# Altium PCB Industrial-Controller.PcbDoc (part 1 of 2) (continued)
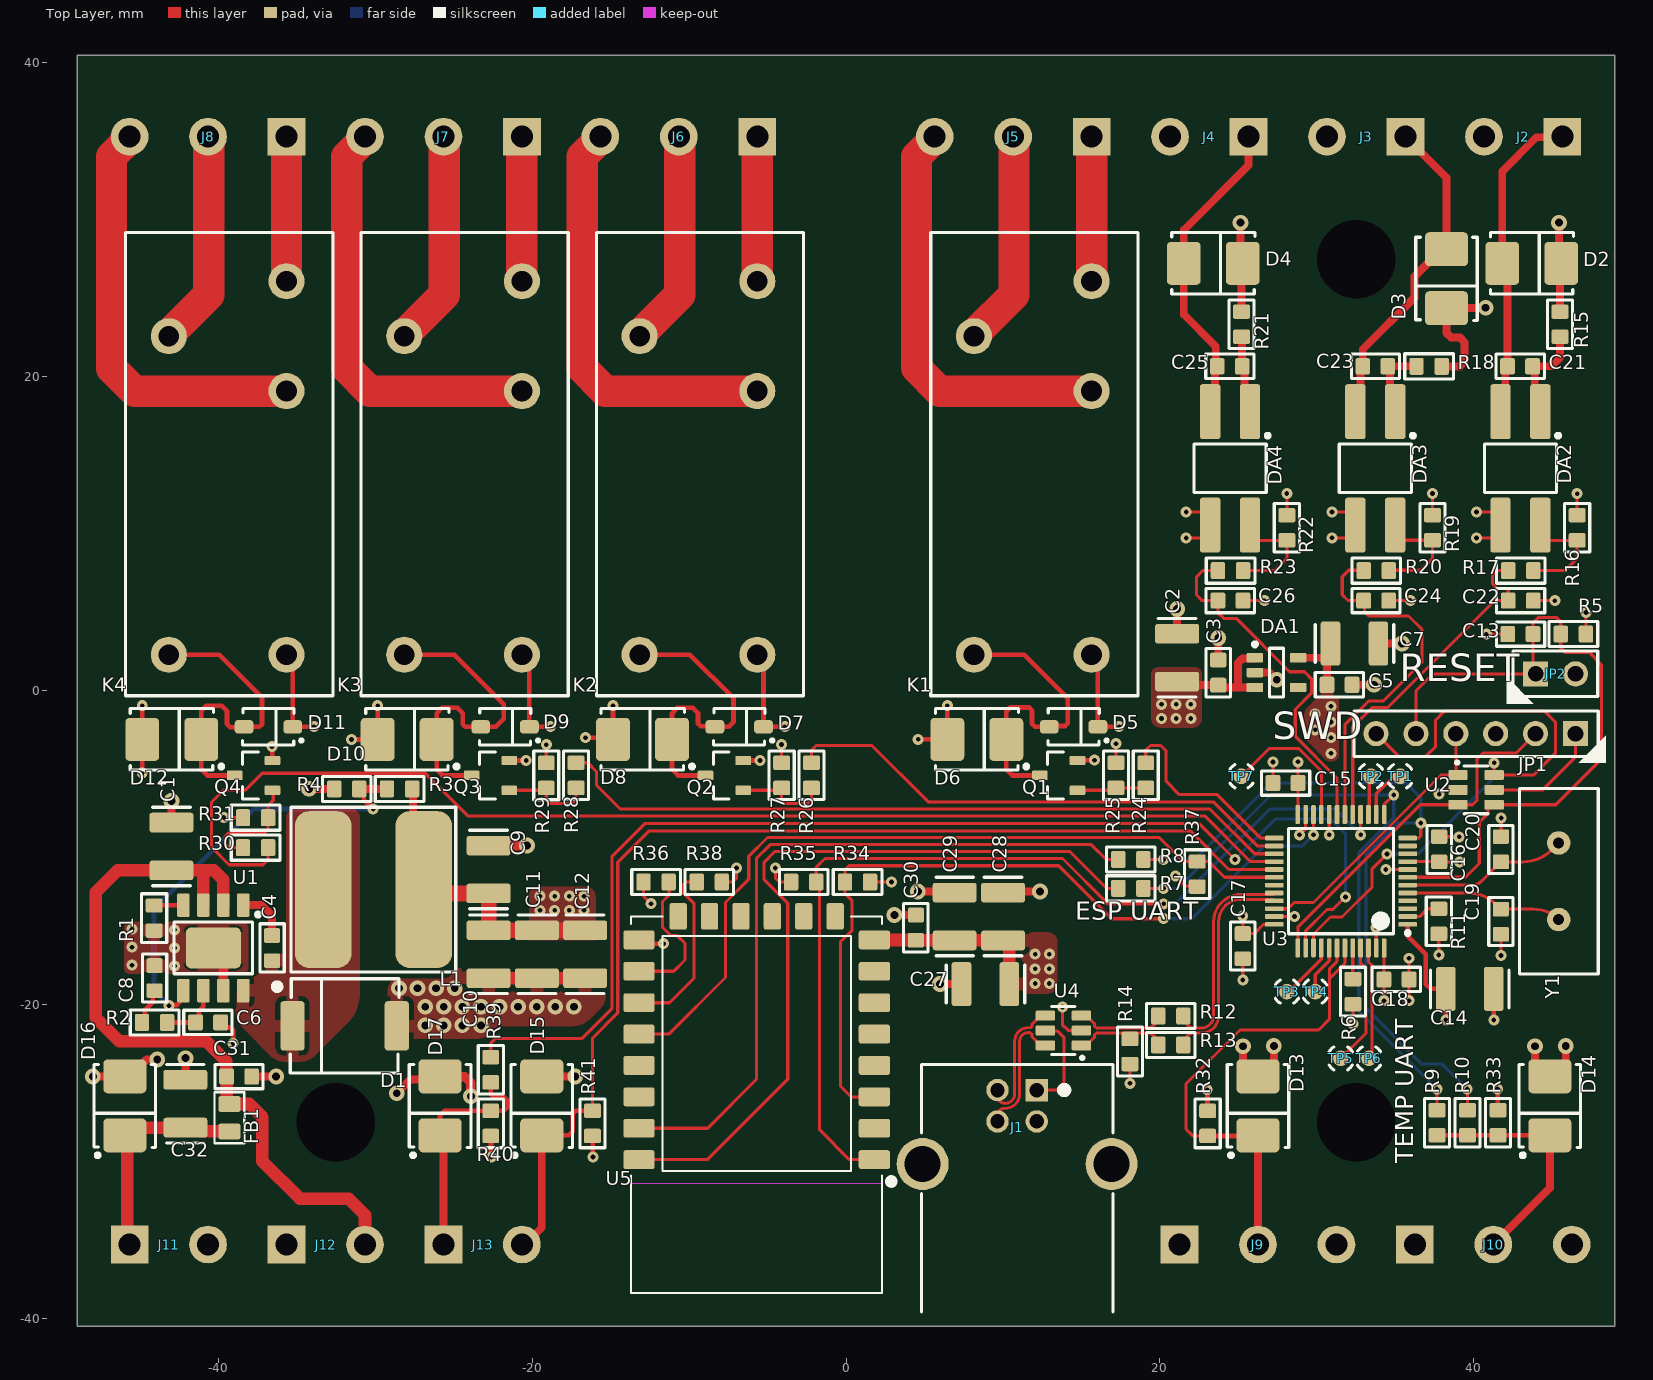
[diagram p0: Top Layer view]
## Design rules (kind name [scope] priority, off if disabled: settings) (continued)
PolygonConnect PolygonConnect_POWER_IN_MOSFET [InComponent('Q1')] p6: connectstyle=Relief reliefconductorwidth=0.381 reliefentries=4 polygonreliefangle="90 Angle" airgapwidth=0.127 // Q1 reverse polarity protection MOSFET
PolygonConnect PolygonConnect_MOSFET_ZENER [InComponent('D2')] p7: connectstyle=Relief reliefconductorwidth=0.508 reliefentries=4 polygonreliefangle="90 Angle" airgapwidth=0.127 // Q1 MOSFET gate voltage stabilizer
PolygonConnect PolygonConnect_DCDC_IC [HasFootprint('SOIC-8EP_150MIL') vs InNet('GND')] p8: connectstyle=Relief reliefconductorwidth=2.032 reliefentries=4 polygonreliefangle="90 Angle" airgapwidth=0.127 // DC/DC IC connection
PolygonConnect PolygonConnect_DCDC_CAPS [(WithinRoom('DC/DC Step-Down Converter 12V') Or WithinRoom('DC/DC Step-Down Converter 3.3V')) And HasFootprint('CAP_1210')] p9: connectstyle=Relief reliefconductorwidth=1.27 reliefentries=4 polygonreliefangle="90 Angle" airgapwidth=0.127 // DC/DC input and output capacitors
PolygonConnect PolygonConnect_ETH_BULKCAP [WithinRoom('10/100 Mbps Ethernet PHY') And HasFootprint('CAP_1210')] p10: connectstyle=Relief reliefconductorwidth=1.27 reliefentries=4 polygonreliefangle="90 Angle" airgapwidth=0.127 // 1210 bulck capacitor in ETH power supply
PolygonConnect PolygonConnect_DCDC_IND [(InNet('12V') Or InNet('3V3')) And HasFootprint('SRU1048')] p11: connectstyle=Relief reliefconductorwidth=1.778 reliefentries=4 polygonreliefangle="90 Angle" airgapwidth=0.127 // DC/DC inductors terminal in specific nets
PolygonConnect PolygonConnect_DCDC_5V_IC [HasFootprint('SOT-23-6') vs (InNet('GND') Or InNet('12V')) And WithinRoom('USB 2.0 Full-Speed')] p12: connectstyle=Relief reliefconductorwidth=0.584 reliefentries=4 polygonreliefangle="90 Angle" airgapwidth=0.127 // DC/DC 5V IC connection
PolygonConnect PolygonConnect_DCDC_5V_CAPS [HasFootprint('CAP_1210') vs InNet('5V')] p13: connectstyle=Direct reliefconductorwidth=1.27 reliefentries=4 polygonreliefangle="90 Angle" airgapwidth=0.3 // Caps connection to GND and VCC polygons
PolygonConnect PolygonConnect_DCDC_5V_OUT_CAP [InNet('5V') And HasFootprint('CAP_0603')] p14: connectstyle=Relief reliefconductorwidth=0.813 reliefentries=4 polygonreliefangle="90 Angle" airgapwidth=0.127 // Output cap connection to VCC polygon
PolygonConnect PolygonConnect_DCDC_5V_IND [HasFootprint('SDR1006')] p15: connectstyle=Direct reliefconductorwidth=0.8 reliefentries=4 polygonreliefangle="90 Angle" airgapwidth=0.3 // DC/DC 5V inductor terminal in specific nets
PolygonConnect PolygonConnect_DCDC_HOTSWITCH [InNet('NetC4_2')] p16: connectstyle=Relief reliefconductorwidth=0.8 reliefentries=4 polygonreliefangle="90 Angle" airgapwidth=0.3 // DC/DC 5V inductor terminal in specific nets
PolygonConnect PolygonConnect_DCDC_BL_IC [WithinRoom('LCD & Capacitive Touchscreen Module') And HasFootprint('SOT-23-6')] p17: connectstyle=Relief reliefconductorwidth=0.584 reliefentries=4 polygonreliefangle="90 Angle" airgapwidth=0.127 // DC/DC Backlight IC
PolygonConnect PolygonConnect_DCDC_BL_CAPS [WithinRoom('LCD & Capacitive Touchscreen Module') And HasFootprint('CAP_0805')] p18: connectstyle=Relief reliefconductorwidth=1.016 reliefentries=4 polygonreliefangle="90 Angle" airgapwidth=0.127 // DC/DC Backlight capacitors
PolygonConnect PolygonConnect_DCDC_BL_IND [WithinRoom('LCD & Capacitive Touchscreen Module') And HasFootprint('LQH3NPN470MMEL')] p19: connectstyle=Relief reliefconductorwidth=0.965 reliefentries=4 polygonreliefangle="90 Angle" airgapwidth=0.127 // DC/DC Backlight inductor
PolygonConnect PolygonConnect_WIFI_GND [InNet('GND') And HasFootprint('ATWINC3400-MR210CA142')] p20: connectstyle=Relief reliefconductorwidth=0.762 reliefentries=4 polygonreliefangle="90 Angle" airgapwidth=0.127 // WiFi module to GND poly
PolygonConnect PolygonConnect_USB_CONN_GND [InNet('GND') vs HasFootprint('USB3106-30-0230-A')] p21: connectstyle=Relief reliefconductorwidth=0.508 reliefentries=4 polygonreliefangle="90 Angle" airgapwidth=0.203 // USB connector GND
PolygonConnect PolygonConnect_FB [HasFootprint('FB_1206')] p22: connectstyle=Relief reliefconductorwidth=1.143 reliefentries=4 polygonreliefangle="90 Angle" airgapwidth=0.127 // Ferrite Bead to poly
PolygonConnect PolygonConnect_FUSE [HasFootprint('PTC_1812')] p23: connectstyle=Relief reliefconductorwidth=1.778 reliefentries=4 polygonreliefangle="90 Angle" airgapwidth=0.127 // Fuse to poly
PolygonConnect PolygonConnect_12V_OUT_SMA [(WithinRoom('RS-485 Interface') Or WithinRoom('Wiegand Interface')) And HasFootprint('SMA')] p24: connectstyle=Relief reliefconductorwidth=1.524 reliefentries=4 polygonreliefangle="90 Angle" airgapwidth=0.127 // TVS diodes in SMA package, 12V output polygons
PolygonConnect PolygonConnect_TP_GND [InNet('GND') vs HasFootprint('TEST_POINT_TH') Or HasFootprint('TEST_POINT_SMT')] p25: connectstyle=Relief reliefconductorwidth=0.508 reliefentries=4 polygonreliefangle="90 Angle" airgapwidth=0.508 // Test points to GND
PolygonConnect PolygonConnect_ETH_CHASSIS [InNet('CHASSIS')] p26: connectstyle=Relief reliefconductorwidth=1.016 reliefentries=4 polygonreliefangle="90 Angle" airgapwidth=0.381 // ETH Chassis
PolygonConnect PolygonConnect_VIA [IsVia] p27: connectstyle=Direct reliefconductorwidth=0.8 reliefentries=4 polygonreliefangle="90 Angle" airgapwidth=0.3
PolygonConnect [All] p28: connectstyle=Relief reliefconductorwidth=0.8 reliefentries=4 polygonreliefangle="90 Angle" airgapwidth=0.3
ReturnPath [OnLayer('Layer 3 (SIG)')] p1: _gaplimit=0.127
RoutingVias [All] p1: holewidth=0.254 width=0.66 viastyle="Through Hole" minholewidth=0.254 minwidth=0.66 maxholewidth=1.016 maxwidth=1.422 useviatemplates=TRUE viatemplateguid#1={79E6DCE3-D317-4519-9061-2CDD01818D80} viatemplateguid#2={DB4F5FA1-A2BD-4F5F-94AF-CFE80AD55038} viatemplatename#1=power_via viatemplatename#2=signal_via
SilkToSilkClearance [All] p1: silktosilkclearance=0.051
SilkToSolderMaskClearance [All] p1: minsilkscreentomaskgap=0.051 clearancetoexposedcopper=FALSE
SolderMaskExpansion SolderMaskExpansion_LQFP176 [HasFootprint('LQFP176')] p1: expansion=0.102 istentingtop=FALSE
SolderMaskExpansion SolderMaskExpansion_TSSOP-14 [HasFootprint('TSSOP-14')] p2: expansion=0.102 istentingtop=FALSE
SolderMaskExpansion SolderMaskExpansion_TSOP-54 [HasFootprint('TSOP-54-II')] p3: expansion=0.127 istentingtop=FALSE
SolderMaskExpansion SolderMaskExpansion_SDCard [HasFootprint('475710001')] p4: expansion=0.102 istentingtop=FALSE
SolderMaskExpansion SolderMaskExpansion_LCD_conns [HasFootprint('62684-402100AHLF') Or HasFootprint('0527460671')] p5: expansion=0.102 istentingtop=FALSE
SolderMaskExpansion SolderMaskExpansion_Via [IsVia] p6: expansion=0.152 istentingtop=TRUE
SolderMaskExpansion [All] p7: expansion=0.076 istentingtop=FALSE
UnRoutedNet [All] p1: checkbadconnections=TRUE
Width Width_Signal_Buried [OnLayer('Layer 3 (SIG)') And  Not InNet('5V')] p1: maxlimit=0.127 minlimit=0.127 preferedwidth=0.127 // 50 Ohm track on buried layers
Width [All] p2: maxlimit=2.54 minlimit=0.127 preferedwidth=0.3 // 50 Ohm track on top and bottom layers
21 further rules are at their usual default settings.

## Classes and differential pairs
differential pair class USB_DIFFPAIR: D MCU_USB_D USB
channel class Industrial-Controller_Relay: Relays1 Relays2 Relays3 Relays4
channel class Industrial-Controller_Input: "Isolated inputs1" "Isolated inputs2" "Isolated inputs3"
net class RELAY[1..4]: RELAY1 RELAY2 RELAY3 RELAY4
net class MCU_IN[1..3]: MCU_IN1 MCU_IN2 MCU_IN3
component class USB: J1 R12 R13 R14 U4
component class "Temp sensor": D13 D14 J9 J10 R32 R33
component class Relays4: D11 D12 J8 K4 Q4 R30 R31
component class Relays3: D9 D10 J7 K3 Q3 R28 R29
component class Relays2: D7 D8 J6 K2 Q2 R26 R27
component class Relays1: D5 D6 J5 K1 Q1 R24 R25
component class Power: C1 C2 C3 C4 C5 C6 C7 C8 C9 C10 C11 C12 D1 DA1 L1 R1 R2 R3 R4 U1
component class "Isolated inputs3": C25 C26 D4 DA4 J4 R21 R22 R23
component class "Isolated inputs2": C23 C24 D3 DA3 J3 R18 R19 R20
component class "Isolated inputs1": C21 C22 D2 DA2 J2 R15 R16 R17
component class Fan: C31 C32 D15 D16 D17 FB1 J11 J12 J13 R39 R40 R41
component class ESP8266: C27 C28 C29 C30 R34 R35 R36 R37 R38 U5
component class MCU: C13 C14 C15 C16 C17 C18 C19 C20 JP1 JP2 R5 R6 R7 R8 R9 R10 R11 TP1 TP2 TP3 TP4 TP5 TP6 TP7 U2 U3 Y1
differential pair USB: +USB_P -USB_N
differential pair MCU_USB_D: +MCU_USB_D_P -MCU_USB_D_N
differential pair D: +D_P -D_N

## Components (designator, comment, footprint, x,y, rotation, side; value= is the part's Value field where it differs from the comment)
C1 "10uF" CAP_1210 -42.987,-9.933 r270 top (schematic designator C6)
C2 "10uF" CAP_1210 21.1,2.1 r270 top (schematic designator C9)
C3 "100nF" CAP_0603 23.723,1.15 r90 top (schematic designator C10)
C4 "100nF" CAP_0603 -36.572,-16.408 r270 top (schematic designator C1)
C5 "100nF" CAP_0603 31.45,0.375 r0 top (schematic designator C11)
C6 "15pF" CAP_0603 -40.652,-21.143 r0 top (schematic designator C7)
C7 "10uF" CAP_1210 32.4,3 r180 top (schematic designator C12)
C8 "22nF" CAP_0603 -44.06,-18.324 r270 top
C9 "10uF" CAP_1210 -22.773,-11.4 r270 top (schematic designator C2)
C10 "10uF" CAP_1210 -22.773,-16.797 r90 top (schematic designator C3)
C11 "10uF" CAP_1210 -19.699,-16.797 r90 top (schematic designator C4)
C12 "10uF" CAP_1210 -16.624,-16.797 r90 top (schematic designator C5)
C13 "100nF" CAP_0603 42.973,3.6 r180 top (schematic designator C14)
C14 "10uF" CAP_1210 39.75,-19.006 r180 top (schematic designator C16)
C15 "100nF" CAP_0603 28.004,-5.889 r180 top (schematic designator C18)
C16 "100nF" CAP_0603 37.799,-10.11 r90 top (schematic designator C17)
C17 "100nF" CAP_0603 25.283,-16.284 r270 top (schematic designator C19)
C18 "100nF" CAP_0603 35.078,-18.405 r0 top (schematic designator C20)
C19 "18pF" CAP_0603 41.734,-14.725 r270 top (schematic designator C13)
C20 "18pF" CAP_0603 41.734,-10.11 r90 top (schematic designator C15)
C21 "100nF" CAP_0603 42.952,20.666 r180 top
C22 "100nF" CAP_0603 42.998,5.734 r0 top
C23 "100nF" CAP_0603 33.727,20.666 r180 top (schematic designator C21)
C24 "100nF" CAP_0603 33.784,5.734 r0 top (schematic designator C22)
C25 "100nF" CAP_0603 24.452,20.666 r180 top (schematic designator C21)
C26 "100nF" CAP_0603 24.498,5.734 r0 top (schematic designator C22)
C27 "22uF" CAP_1210 8.887,-18.7 r0 top (schematic designator C23)
C28 "22uF" CAP_1210 10.011,-14.397 r270 top (schematic designator C24)
C29 "22uF" CAP_1210 6.927,-14.397 r270 top (schematic designator C25)
C30 "100nF" CAP_0603 4.45,-15.1 r90 top (schematic designator C26)
C31 "100nF" CAP_0603 -38.668,-24.593 r0 top (schematic designator C27)
C32 "10uF" CAP_1210 -42.098,-26.318 r270 top (schematic designator C28)
D1 "B560C-13-F" SMC -31.949,-21.363 r0 top
D2 "SMBJ5.0CA" SMB-BIDIR 43.699,27.226 r180 top
D3 "SMBJ5.0CA" SMB-BIDIR 38.264,26.25 r90 top (schematic designator D2)
D4 "SMBJ5.0CA" SMB-BIDIR 23.399,27.226 r180 top (schematic designator D2)
D5 "MBR0540" SOD-123 14.501,-2.309 r180 top (schematic designator D3)
D6 "SMBJ24A" SMB 8.336,-3.109 r180 top (schematic designator D4)
D7 "MBR0540" SOD-123 -6.806,-2.309 r180 top (schematic designator D3)
D8 "SMBJ24A" SMB -12.965,-3.109 r180 top (schematic designator D4)
D9 "MBR0540" SOD-123 -21.726,-2.309 r180 top (schematic designator D3)
D10 "SMBJ24A" SMB -27.965,-3.109 r180 top (schematic designator D4)
D11 "MBR0540" SOD-123 -36.806,-2.309 r180 top (schematic designator D3)
D12 "SMBJ24A" SMB -42.965,-3.109 r180 top (schematic designator D4)
D13 "SMBJ3.3A" SMB 26.251,-26.461 r90 top (schematic designator D5)
D14 "SMBJ3.3A" SMB 44.851,-26.461 r90 top (schematic designator D6)
D15 "SMBJ3.3A" SMB -19.387,-26.461 r90 top (schematic designator D8)
D16 "SMBJ24A" SMB -45.957,-26.461 r90 top (schematic designator D7)
D17 "SMBJ3.3A" SMB -25.866,-26.461 r90 top (schematic designator D9)
DA1 "TLV75533PDBVR" SOT-23-5 27.432,1.146 r0 top
DA2 "HCPL-817-50CE" HCPL-817-50CE 42.977,14.151 r270 top
DA3 "HCPL-817-50CE" HCPL-817-50CE 33.727,14.151 r270 top (schematic designator DA2)
DA4 "HCPL-817-50CE" HCPL-817-50CE 24.477,14.151 r270 top (schematic designator DA2)
FB1 "BLM21PG221SN1D" L0805 -39.293,-27.218 r270 top
J1 "DS1099-WN0" DS1099-WN0 10.905,-32.1 r0 top
J2 "DG128-5.0-02P-14-00AH" DG128-5.0-02P-14 43.151,35.3 r0 top locked
J3 "DG128-5.0-02P-14-00AH" DG128-5.0-02P-14 33.151,35.3 r0 top locked (schematic designator J2)
J4 "DG128-5.0-02P-14-00AH" DG128-5.0-02P-14 23.151,35.3 r0 top locked (schematic designator J2)
J5 "DG128-5.0-03P-14-00AH" DG128-5.0-03P-14 10.651,35.3 r0 top locked (schematic designator J3)
J6 "DG128-5.0-03P-14-00AH" DG128-5.0-03P-14 -10.651,35.3 r0 top locked (schematic designator J3)
J7 "DG128-5.0-03P-14-00AH" DG128-5.0-03P-14 -25.651,35.3 r0 top (schematic designator J3)
J8 "DG128-5.0-03P-14-00AH" DG128-5.0-03P-14 -40.651,35.3 r0 top (schematic designator J3)
J9 "DG128-5.0-03P-14-00AH" DG128-5.0-03P-14 26.251,-35.3 r180 top (schematic designator J4)
J10 "DG128-5.0-03P-14-00AH" DG128-5.0-03P-14 41.251,-35.3 r180 top (schematic designator J5)
J11 "DG128-5.0-02P-14-00AH" DG128-5.0-02P-14 -43.151,-35.3 r180 top locked (schematic designator J6)
J12 "DG128-5.0-02P-14-00AH" DG128-5.0-02P-14 -33.151,-35.3 r180 top locked (schematic designator J7)
J13 "DG128-5.0-02P-14-00AH" DG128-5.0-02P-14 -23.151,-35.3 r180 top (schematic designator J8)
JP1 "61300611121" PLS-6 40.142,-2.742 r270 top (schematic designator JP2)
JP2 "61300211121" PLS-2 45.217,1.068 r90 top (schematic designator JP1)
K1 "3-1393239-6" 3-1393239-6 12.001,14.411 r90 top
K2 "3-1393239-6" 3-1393239-6 -9.301,14.411 r90 top (schematic designator K1)
K3 "3-1393239-6" 3-1393239-6 -24.301,14.411 r90 top (schematic designator K1)
K4 "3-1393239-6" 3-1393239-6 -39.301,14.411 r90 top (schematic designator K1)
L1 "27uH" SDR1006 -30.114,-12.683 r90 top
Q1 "SI2304DDS-T1-GE3" SOT-23-3 13.551,-5.403 r180 top
Q2 "SI2304DDS-T1-GE3" SOT-23-3 -7.751,-5.403 r180 top (schematic designator Q1)
Q3 "SI2304DDS-T1-GE3" SOT-23-3 -22.651,-5.403 r180 top (schematic designator Q1)
Q4 "SI2304DDS-T1-GE3" SOT-23-3 -37.751,-5.403 r180 top (schematic designator Q1)
R1 "243kR" RES_0603 -44.085,-14.492 r270 top (schematic designator R4)
R2 "12.1kR" RES_0603 -44.06,-21.147 r180 top
R3 "53.6kR" RES_0603 -28.448,-6.263 r180 top (schematic designator R1)
R4 "10.2kR" RES_0603 -31.814,-6.263 r180 top (schematic designator R3)
R5 "10kR" RES_0603 46.349,3.6 r180 top (schematic designator R9)
R6 "10kR" RES_0603 32.3,-19.18 r90 top (schematic designator R11)
R7 "0mR" RES_0603 18.15,-12.6 r0 top (schematic designator R5)
R8 "0mR" RES_0603 18.15,-10.761 r0 top (schematic designator R6)
R9 "0mR" RES_0603 37.661,-27.537 r90 top (schematic designator R7)
R10 "0mR" RES_0603 39.6,-27.537 r90 top (schematic designator R8)
R11 "10kR" RES_0603 37.774,-14.7 r90 top (schematic designator R10)
R12 "24R" RES_0603 20.698,-20.737 r180 top (schematic designator R13)
R13 "24R" RES_0603 20.698,-22.577 r180 top (schematic designator R14)
R14 "1.5kR" RES_0603 18.095,-22.997 r90 top (schematic designator R12)
R15 "360R" RES_0603 45.502,23.349 r270 top (schematic designator R16)
R16 "1kR" RES_0603 46.592,10.375 r270 top (schematic designator R15)
R17 "100R" RES_0603 43.002,7.644 r0 top
R18 "360R" RES_0603 37.153,20.666 r180 top (schematic designator R16)
R19 "1kR" RES_0603 37.378,10.383 r270 top (schematic designator R15)
R20 "100R" RES_0603 33.788,7.644 r0 top (schematic designator R17)
R21 "360R" RES_0603 25.202,23.349 r270 top (schematic designator R16)
R22 "1kR" RES_0603 28.092,10.375 r270 top (schematic designator R15)
R23 "100R" RES_0603 24.502,7.644 r0 top (schematic designator R17)
R24 "100R" RES_0603 19.1,-5.4 r270 top (schematic designator R18)
R25 "10kR" RES_0603 17.2,-5.4 r90 top (schematic designator R19)
R26 "100R" RES_0603 -2.2,-5.4 r270 top (schematic designator R18)
R27 "10kR" RES_0603 -4.1,-5.4 r90 top (schematic designator R19)
R28 "100R" RES_0603 -17.2,-5.4 r270 top (schematic designator R18)
R29 "10kR" RES_0603 -19.1,-5.403 r90 top (schematic designator R19)
R30 "100R" RES_0603 -37.625,-10.008 r180 top (schematic designator R18)
R31 "10kR" RES_0603 -37.625,-8.1 r180 top (schematic designator R19)
R32 "4.7kR" RES_0603 23.05,-27.577 r270 top (schematic designator R20)
R33 "4.7kR" RES_0603 41.55,-27.537 r270 top (schematic designator R21)
R34 "10kR" RES_0603 0.735,-12.197 r180 top (schematic designator R22)
R35 "10kR" RES_0603 -2.699,-12.197 r0 top (schematic designator R23)
R36 "10kR" RES_0603 -12.103,-12.197 r180 top (schematic designator R26)
R37 "10kR" RES_0603 22.379,-11.69 r90 top (schematic designator R24)
R38 "10kR" RES_0603 -8.711,-12.197 r180 top (schematic designator R25)
R39 "100R" RES_0603 -22.636,-24.163 r90 top (schematic designator R28)
R40 "10kR" RES_0603 -22.636,-27.577 r90 top (schematic designator R27)
R41 "10kR" RES_0603 -16.156,-27.577 r270 top (schematic designator R29)
TP1 "TEST_POINT_SMT" TEST_POINT_SMT 35.308,-5.455 r90 top (schematic designator TP2)
TP2 "TEST_POINT_SMT" TEST_POINT_SMT 33.45,-5.455 r90 top (schematic designator TP4)
TP3 "TEST_POINT_SMT" TEST_POINT_SMT 28.096,-19.18 r90 top (schematic designator TP1)
TP4 "TEST_POINT_SMT" TEST_POINT_SMT 29.9,-19.18 r90 top (schematic designator TP3)
TP5 "TEST_POINT_SMT" TEST_POINT_SMT 31.525,-23.436 r90 top
TP6 "TEST_POINT_SMT" TEST_POINT_SMT 33.325,-23.436 r90 top
TP7 "TEST_POINT_SMT" TEST_POINT_SMT 25.2,-5.455 r90 top
U1 "TPS54560DDA" SOIC-8EP_150mil -40.316,-16.395 r270 top
U2 "SRV05-4ATR" SOT-23-6 40.149,-6.327 r0 top (schematic designator U3)
U3 "STM32F103C6T6A" LQFP48 31.541,-12.147 r180 top (schematic designator U2)
U4 "USBLC6-2SC6" SOT-23-6 13.853,-21.66 r180 top
U5 "ESP-12E" ESP-12E -5.692,-22.887 r180 top
Y1 "8MHz" HC-49/US 45.413,-12.147 r270 top

## Footprints (in the part's own frame and the unit in brackets; to place one, negate y for a bottom-side part, rotate by r counter-clockwise, add the part's x,y. Pads: shape width x height; smd on the part's side, far side on the other; paste and mask are expansions set on the pad)
3-1393239-6 [mm]
  round 2.3 hole 1.32 mask+0.1: 11(8.175,3.85) 12(4.675,-3.65) 14(11.675,-3.65) A1(-12.125,-3.65) A2(-12.125,3.85)
  silkscreen extent -14.74,-6.6 14.78,6.6, body extent -14.5,-6.35 14.5,6.35, height 15.7
CAP_0603 [mm] "Generic 0603 capacitor, IPC"
  rrect25% 0.94x1.03 smd: 1(-0.8,0) 2(0.8,0)
  silkscreen extent -1.55,-0.77 1.53,0.77, body extent -0.8,-0.4 0.8,0.4, height 0.9
CAP_1210 [mm] "Chip Capacitor, 2-Leads, Body 3,20x2,50mm, IPC"
  rrect25% 1.25x2.8 smd: 1(-1.525,0) 2(1.525,0)
  silkscreen extent -2.5,-1.2 2.5,1.2, body extent -1.6,-1.25 1.6,1.25, height 2.5
DG128-5.0-02P-14 [mm]
  rect 2.4x2.4 hole 1.4: 1(2.5,0)
  round 2.4 hole 1.4: 2(-2.5,0)
  body extent -5,-5 5.6,5.2, height 14.1
DG128-5.0-03P-14 [mm]
  rect 2.4x2.4 hole 1.4: 1(5,0)
  round 2.4 hole 1.4: 2(0,0) 3(-5,0)
  body extent -7.5,-5 8.1,5.2, height 14.1
DS1099-WN0 [mm]
  rect 1.428x1.428 hole 0.92: 1(1.25,6.645)
  round 1.428 hole 0.92: 2(-1.25,6.645) 3(-1.25,4.645) 4(1.25,4.645)
  round 3.316 hole 2.3: 5(-6.02,1.935) 5(6.02,1.935)
  silkscreen extent -6.1,-7.5 6.1,8.27, body extent -7.5,-8.23 7.5,8.23, height 11.02
ESP-12E [mm] "Bluetooth, WiFi 802.11b/g/n, Bluetooth v5.0 Transceiver Module 2.4GHz Integrated, Chip Surface Mount"
  rrect25% 2x1.2 smd: 1(-7.5,7) 2(-7.5,5) 3(-7.5,3) 4(-7.5,1) 5(-7.5,-1) 6(-7.5,-3) 7(-7.5,-5) 8(-7.5,-7) 15(7.5,-7) 16(7.5,-5) 17(7.5,-3) 18(7.5,-1) 19(7.5,1) 20(7.5,3) 21(7.5,5) 22(7.5,7)
  rrect25% 1.1x1.7 smd: 9(-5,-8.5) 10(-3,-8.5) 11(-1,-8.5) 12(1,-8.5) 13(3,-8.5) 14(5,-8.5)
  Keep-Out Layer region: 8,8.51 -8.009,8.51 -8.009,15.5 8,15.5
  Keep-Out Layer region: 8,8.51 -8.009,8.51 -8.009,15.5 8,15.5
  silkscreen extent -8.78,-8.5 8,15.5, body extent -8.01,-8.5 8.01,15.5, height 2.65
HC-49/US [mm]
  round 1.5 hole 0.7: 1(-2.44,0) 2(2.44,0)
  silkscreen extent -5.9,-2.5 5.9,2.52, body extent -5.67,-2.32 5.68,2.33, height 3.6
HCPL-817-50CE [mm] "SOP, 4-Leads, Body 4,58x6,50mm, Pitch 2,54mm, IPC Medium Density"
  rrect25% 3.5x1.3 smd: 1(-3.625,1.27) 2(-3.625,-1.27) 3(3.6,-1.27) 4(3.6,1.27)
  silkscreen extent -2.22,-2.3 1.52,2.52, body extent -4.91,-2.32 4.97,2.26, height 3.75
L0805 [mm]
  rrect25% 1x1.4 smd: 1(-0.875,0) 2(0.875,0)
  silkscreen extent -1.63,-0.95 1.63,0.95, body extent -1,-0.6 1,0.6, height 0.95
LQFP48 [mm] "Thin QFP, 48-Leads, Body 7x7mm, Pitch 0.5mm, IPC Medium Density"
  rrect50% 1.2x0.3 smd mask+0.05: 1(-4.25,2.75) 2(-4.25,2.25) 3(-4.25,1.75) 4(-4.25,1.25) 5(-4.25,0.75) 6(-4.25,0.25) 7(-4.25,-0.25) 8(-4.25,-0.75) 9(-4.25,-1.25) 10(-4.25,-1.75) 11(-4.25,-2.25) 12(-4.25,-2.75) 25(4.25,-2.75) 26(4.25,-2.25) 27(4.25,-1.75) 28(4.25,-1.25) 29(4.25,-0.75) 30(4.25,-0.25) 31(4.25,0.25) 32(4.25,0.75) 33(4.25,1.25) 34(4.25,1.75) 35(4.25,2.25) 36(4.25,2.75)
  rrect50% 0.3x1.2 smd mask+0.05: 13(-2.75,-4.25) 14(-2.25,-4.25) 15(-1.75,-4.25) 16(-1.25,-4.25) 17(-0.75,-4.25) 18(-0.25,-4.25) 19(0.25,-4.25) 20(0.75,-4.25) 21(1.25,-4.25) 22(1.75,-4.25) 23(2.25,-4.25) 24(2.75,-4.25) 37(2.75,4.25) 38(2.25,4.25) 39(1.75,4.25) 40(1.25,4.25) 41(0.75,4.25) 42(0.25,4.25) 43(-0.25,4.25) 44(-0.75,4.25) 45(-1.25,4.25) 46(-1.75,4.25) 47(-2.25,4.25) 48(-2.75,4.25)
  silkscreen extent -4.38,-3.36 3.35,3.42, body extent -4.51,-4.51 4.51,4.51, height 1.46
PLS-2 [mm] "CONN HEADER 2 POS 2.54"
  rect 1.6x1.6 hole 1: 1(0,1.27)
  round 1.6 hole 1: 2(0,-1.27)
  silkscreen extent -1.45,-2.68 1.45,2.72, body extent -1.27,-2.52 1.27,2.56, height 8.46
PLS-6 [mm] "CONN HEADER VERT 6POS 2.54MM"
  rect 1.6x1.6 hole 1: 1(0,6.338)
  round 1.6 hole 1: 2(0,3.798) 3(0,1.258) 4(0,-1.282) 5(0,-3.822) 6(0,-6.362)
  silkscreen extent -1.45,-7.78 1.45,7.79, body extent -1.26,-7.64 1.28,7.6, height 8.55
RES_0603 [mm] "Generic 0603 resistor, IPC"
  rrect25% 0.92x1.08 smd: 1(-0.8,0) 2(0.8,0)
  silkscreen extent -1.55,-0.8 1.55,0.8, body extent -0.8,-0.4 0.8,0.4, height 0.5
SDR1006 [mm]
  rrect50% 10x3.6 smd: 1(0,3.2) 2(0,-3.2)
  silkscreen extent -5.25,-5.25 5.25,5.25, body extent -4.9,-4.89 4.9,4.89, height 5.93
SMB [mm] "Molded Diode, 2-Leads, Body 4.6x2.9mm, IPC"
  rrect25% 2.159x2.743 smd: 1(-1.88,0) 2(1.88,0)
  silkscreen extent -3.28,-1.96 2.64,1.96, body extent -2.65,-1.85 2.65,1.85, height 2.24
SMB-BIDIR [mm] "Molded Diode, 2-Leads, Body 4.6x2.9mm, IPC"
  rrect25% 2.159x2.743 smd: 1(-1.88,0) 2(1.88,0)
  silkscreen extent -2.67,-1.96 2.64,1.96, body extent -2.65,-1.85 2.65,1.85, height 2.24
SMC [mm]
  rrect25% 1.54x3.14 smd: 1(-3.325,0) 2(3.325,0)
  silkscreen extent -4.5,-3 3.47,3, body extent -3.9,-2.95 3.9,2.95, height 2.44
SOD-123 [mm]
  rrect50% 1.2x0.87 smd: 1(-1.55,0) 2(1.55,0)
  silkscreen extent -2.2,-1.16 1.64,1.16, body extent -1.85,-0.8 1.85,0.8, height 1.27
SOIC-8EP_150mil [mm] "SOIC, 8-Leads + Exposed Pad, Narrow 150 mil, IPC"
  rrect25% 1.505x0.802 smd: 1(-2.725,1.905) 2(-2.725,0.635) 3(-2.725,-0.635) 4(-2.725,-1.905) 5(2.725,-1.905) 6(2.725,-0.635) 7(2.725,0.635) 8(2.725,1.905)
  rrect25% 2.613x3.502 smd: 9(0,0)
  silkscreen extent -2.25,-2.5 1.65,2.98, body extent -3.1,-2.47 3.1,2.53, height 1.75
SOT-23-3 [mm] "SOT23, 3-Leads, IPC"
  rrect25% 1x0.6 smd: 1(-1.2,0.95) 2(-1.2,-0.95) 3(1.2,0)
  silkscreen extent -0.3,-1.5 0.7,1.5, body extent -1.25,-1.5 1.25,1.5, height 1.1
SOT-23-5 [mm] "SOT23, 5-Leads, IPC"
  rrect25% 1.05x0.6 smd: 1(-1.375,0.95) 2(-1.375,0) 3(-1.375,-0.95) 4(1.375,-0.95) 5(1.375,0.95)
  silkscreen extent -1.5,-1.55 0.45,1.92, body extent -1.4,-1.45 1.4,1.45, height 1.45
SOT-23-6 [mm]
  rrect25% 1.24x0.63 smd: 1(-1.15,0.95) 2(-1.15,0) 3(-1.15,-0.95) 4(1.15,-0.95) 5(1.15,0) 6(1.15,0.95)
  silkscreen extent -1.3,-1.52 0.75,1.84, body extent -1.2,-1.4 1.22,1.4, height 1.09
TEST_POINT_SMT [mm] "SMT test point, 40 mil pad"
  round 1 smd paste-2539.97: 1(0,0)
  silkscreen extent -0.74,-0.74 0.74,0.74

## Part data
C1 C2 C7 C9 C10 C11 C12 C14 C32: library part CL32B106KBJNNWE, "CAP CER 10UF 50V X7R 1210", Case Code (Imperial)=1210, Case Code (Metric)=3225, Dielectric=X7R, Manufacturer 1=Samsung, Max Operating Temperature=125°C, Min Operating Temperature=-55°C, Package Quantity=1, Supplier Part Number 1=1276-3388-1-ND, Tolerance=10%, Voltage Rating=50V, Capacitance=10uF, Case/Package=1210, Category="Ceramic Capacitors", ComponentLink1Description=https://datasheet.ciiva.com/25721/cl32b106kbjnnwe-25721651.pdf?src-supplier=Digi-Key, ComponentLink1URL=https://datasheet.ciiva.com/25721/cl32b106kbjnnwe-25721651.pdf?src-supplier=Digi-Key, Lead Free="Lead Free", Length=0.126inch, Manufacturer Part Number 1=CL32B106KBJNNWE, Mount="Surface Mount", Packaging="Tape and Reel", Pricing 1="1=0,64000, 10=0,45500, 50=0,34380, 100=0,29940, 500=0,22176 (USD)", RoHS=Yes, Stock 1=395336, Supplier 1=Digi-Key, Thickness=0.106inch, Width=0.098inch
C3 C4 C5 C13 C15 C16 C17 C18 C21 C22 C23 C24 C25 C26 C30 C31: library part CL10B104KB8NNNL, "CAP CER 0.1UF 50V X7R 0603", Case/Package=0603, Dielectric=X7R, Manufacturer 1=Samsung, Max Operating Temperature=125°C, Min Operating Temperature=-55°C, Package Quantity=15000, Supplier Part Number 1=1276-CL10B104KB8NNNLTR-ND, Tolerance=10%, Voltage Rating=50V, Capacitance=100nF, Category="Ceramic Capacitors", ComponentLink1Description=https://datasheet.ciiva.com/26838/getdatasheetpartid-357523-26838415.pdf?src-supplier=Verical, ComponentLink1URL=https://datasheet.ciiva.com/26838/getdatasheetpartid-357523-26838415.pdf?src-supplier=Verical, ComponentLink2Description=https://datasheet.ciiva.com/25741/cl10b104kb8nnnl-25741341.pdf?src-supplier=Digi-Key, ComponentLink2URL=https://datasheet.ciiva.com/25741/cl10b104kb8nnnl-25741341.pdf?src-supplier=Digi-Key, Construction=Flat, Depth=0.8mm, Height=0.8mm, Length=1.6mm, Manufacturer Part Number 1=CL10B104KB8NNNL, Mount="Surface Mount", Packaging="Tape and Reel", Pricing 1="15000=0,00532, 30000=0,00506 (USD)", Radiation Hardening=No, RoHS=Yes, RoHS Compliant=Yes, Series=CL, Stock 1=2348404, Supplier 1=Digi-Key, Thickness=0.035inch, Voltage Rating (DC)=50V, Width=0.031inch
C6: library part C0603C150J5GAC7867, "CAP CER 15PF 50V C0G/NP0 0603", Case Code (Imperial)=0603, Case Code (Metric)=1608, Dielectric=C0G, Dielectric Material=Ceramic, Manufacturer 1=KEMET, Manufacturer Part Number 1=C0603C150J5GACTU, Max Operating Temperature=125°C, Min Operating Temperature=-55°C, Package Quantity=1, Supplier Part Number 1=147421, Temperature Coefficient=30ppm/°C, Tolerance=5%, Voltage=50V, Capacitance=15pF, Case/Package=0603, Category="Ceramic Capacitors", ComponentLink1Description=https://datasheet.ciiva.com/26847/getdatasheetpartid-309570-26847578.pdf?src-supplier=Verical, ComponentLink1URL=https://datasheet.ciiva.com/26847/getdatasheetpartid-309570-26847578.pdf?src-supplier=Verical, Construction=Flat, Contact Material=Tin, Depth=0.8mm, Dissipation Factor=0.1%, Height=0.8mm, Lead Free="Lead Free", Lead Pitch=0.7mm, Length=1.6mm, Mount="Surface Mount,PCB", Number of pins=2, Packaging="Tape and Reel", Pricing 1="50=0,02400, 500=0,01000, 2500=0,00500, 5000=0,00500, 25000=0,00400 (GBP)", Radiation Hardening=No, REACH SVHC="No SVHC", RoHS=Yes, Series=C, Stock 1=8800, Supplier 1=RSComponents, Termination=SMD/SMT, Thickness=0.034inch, Voltage Rating=50V, Voltage Rating (DC)=50V, Width=0.8mm
C8: library part CC0603KRX7R9BB223, "CAP CER 0.022UF 50V X7R 0603", Case Code (Imperial)=0603, Case Code (Metric)=1608, Dielectric=X7R, Dielectric Material=Ceramic, Insulation Resistance=100GR, Manufacturer 1=Yageo, Max Operating Temperature=125°C, Min Operating Temperature=-55°C, Package Quantity=1, Supplier Part Number 1=2006607, Tolerance=10%, Voltage=50V, Capacitance=22nF, Case/Package=0603, Category="Ceramic Capacitors", ComponentLink1Description=https://datasheet.ciiva.com/8033/70765-8033869.pdf?src-supplier=Element14, ComponentLink1URL=https://datasheet.ciiva.com/8033/70765-8033869.pdf?src-supplier=Element14, ComponentLink2Description=https://datasheet.ciiva.com/28450/1489800-28450639.pdf?src-supplier=Element14, ComponentLink2URL=https://datasheet.ciiva.com/28450/1489800-28450639.pdf?src-supplier=Element14, ComponentLink3Description=https://datasheet.ciiva.com/8033/1489800-8033867.pdf?src-supplier=Element14, ComponentLink3URL=https://datasheet.ciiva.com/8033/1489800-8033867.pdf?src-supplier=Element14, ComponentLink4Description=https://datasheet.ciiva.com/8033/1489800-8033865.pdf?src-supplier=Element14, ComponentLink4URL=https://datasheet.ciiva.com/8033/1489800-8033865.pdf?src-supplier=Element14, ComponentLink5Description=https://datasheet.ciiva.com/156/mlccorderingcode-156178.pdf?src-supplier=Digi-Key, ComponentLink5URL=https://datasheet.ciiva.com/156/mlccorderingcode-156178.pdf?src-supplier=Digi-Key, ComponentLink6Description=https://datasheet.ciiva.com/156/mlccorderingcode-156177.pdf?src-supplier=Digi-Key, ComponentLink6URL=https://datasheet.ciiva.com/156/mlccorderingcode-156177.pdf?src-supplier=Digi-Key, ComponentLink7Description=https://datasheet.ciiva.com/156/mlccorderingcode-156179.pdf?src-supplier=Digi-Key, ComponentLink7URL=https://datasheet.ciiva.com/156/mlccorderingcode-156179.pdf?src-supplier=Digi-Key, ComponentLink8Description=https://datasheet.ciiva.com/11464/upy-gphc-x7r-6-3v-to-50v-8-11464741.pdf?src-supplier=Avnet, ComponentLink8URL=https://datasheet.ciiva.com/11464/upy-gphc-x7r-6-3v-to-50v-8-11464741.pdf?src-supplier=Avnet, Depth=0.8mm, Halogen Free="Halogen Free", Height=0.8mm, Lead Free="Lead Free", Length=1.6mm, Manufacturer Part Number 1=CC0603KRX7R9BB223, Mount="Surface Mount", Number of pins=2, Packaging="Tape and Reel", Pricing 1="250=0,02200, 1000=0,01600, 2000=0,01400 (GBP)", Radiation Hardening=No, REACH SVHC="No SVHC", Resistor Type=Ceramic, RoHS=Yes, RoHS Compliant=Yes, Series=CC, Stock 1=2000, Supplier 1=RSComponents, Termination=SMD/SMT, Thickness=0.035inch, Voltage Rating=50V, Voltage Rating (DC)=50V, Width=0.031inch
C19 C20: library part C0603C180J5GACAUTO, "CAP CER 18PF 50V C0G/NP0 0603", Case/Package=0603, Dielectric=C0G, Dielectric Material=Ceramic, Manufacturer=KEMET, Max Operating Temperature=125°C, Min Operating Temperature=-55°C, Tolerance=5%, Voltage Rating (DC)=50V, Capacitance=18pF, Category="Ceramic Capacitors", ComponentLink1Description=http://www.farnell.com/datasheets/2747367.pdf?src-supplier=Farnell, ComponentLink1URL=http://www.farnell.com/datasheets/2747367.pdf?src-supplier=Farnell, ComponentLink2Description=https://api.kemet.com/component-edge/download/datasheet/C0603C180J5GACAUTO.pdf?src-supplier=Digi-Key, ComponentLink2URL=https://api.kemet.com/component-edge/download/datasheet/C0603C180J5GACAUTO.pdf?src-supplier=Digi-Key, ComponentLink3Description=http://www.farnell.com/datasheets/2747367.pdf?src-supplier=Newark, ComponentLink3URL=http://www.farnell.com/datasheets/2747367.pdf?src-supplier=Newark, ComponentLink4Description=http://www.farnell.com/datasheets/2747367.pdf?src-supplier=Element14, ComponentLink4URL=http://www.farnell.com/datasheets/2747367.pdf?src-supplier=Element14, Depth=0.8mm, Lead Free="Lead Free", Length=1.6mm, Manufacturer 1=KEMET, Manufacturer Part Number=C0603C180J5GACAUTO, Manufacturer Part Number 1=C0603C180J5GACAUTO, Packaging="Tape and Reel", Pricing 1="1=0.10780, 10=0.04490, 25=0.04440, 100=0.03270, 250=0.03140, 500=0.02510, 1000=0.01950, 3000=0.01910, 6000=0.01510 (USD)", RoHS=Yes, RoHS Compliant=Yes, Stock 1=13801, Supplier 1="Arrow Electronics", Supplier Part Number 1=C0603C180J5GACAUTO
C27 C28 C29: library part CL32B226KAJNNNE, "CAP CER 22UF 25V X7R 1210", Case Code (Imperial)=1210, Case Code (Metric)=3225, Dielectric=X7R, Manufacturer 1=Samsung, Max Operating Temperature=125°C, Min Operating Temperature=-55°C, Package Quantity=1, Supplier Part Number 1=1276-3392-1-ND, Tolerance=10%, Voltage Rating=25V, Capacitance=22uF, Case/Package=1210, Category="Ceramic Capacitors", ComponentLink1Description=https://datasheet.ciiva.com/25714/cl32b226kajnnne-25714610.pdf?src-supplier=Digi-Key, ComponentLink1URL=https://datasheet.ciiva.com/25714/cl32b226kajnnne-25714610.pdf?src-supplier=Digi-Key, Construction=Flat, Depth=2.5mm, Height=2.5mm, Lead Free="Lead Free", Length=3.2mm, Manufacturer Part Number 1=CL32B226KAJNNNE, Material=Ceramic, Mount="Surface Mount", Packaging="Tape and Reel", Pricing 1="1=0,58000, 10=0,41000, 50=0,31000, 100=0,26990, 500=0,19996 (USD)", Radiation Hardening=No, RoHS=Yes, RoHS Compliant=Yes, Series=CL, Stock 1=784003, Supplier 1=Digi-Key, Thickness=0.106inch, Voltage Rating (DC)=25V, Width=0.098inch